# Altium PCB mach PCB.PcbDoc (part 6 of 6)
Units mm, origin at the board's own origin, x right, y up, seen from the top; angles counter-clockwise.
Board outline 300.6 x 300.64 mm, 2 copper layers (Top Layer, Bottom Layer); 688 components, 737 nets, 3205 pads, 25 vias.
Unrouted connection lines stored in the file: 1.
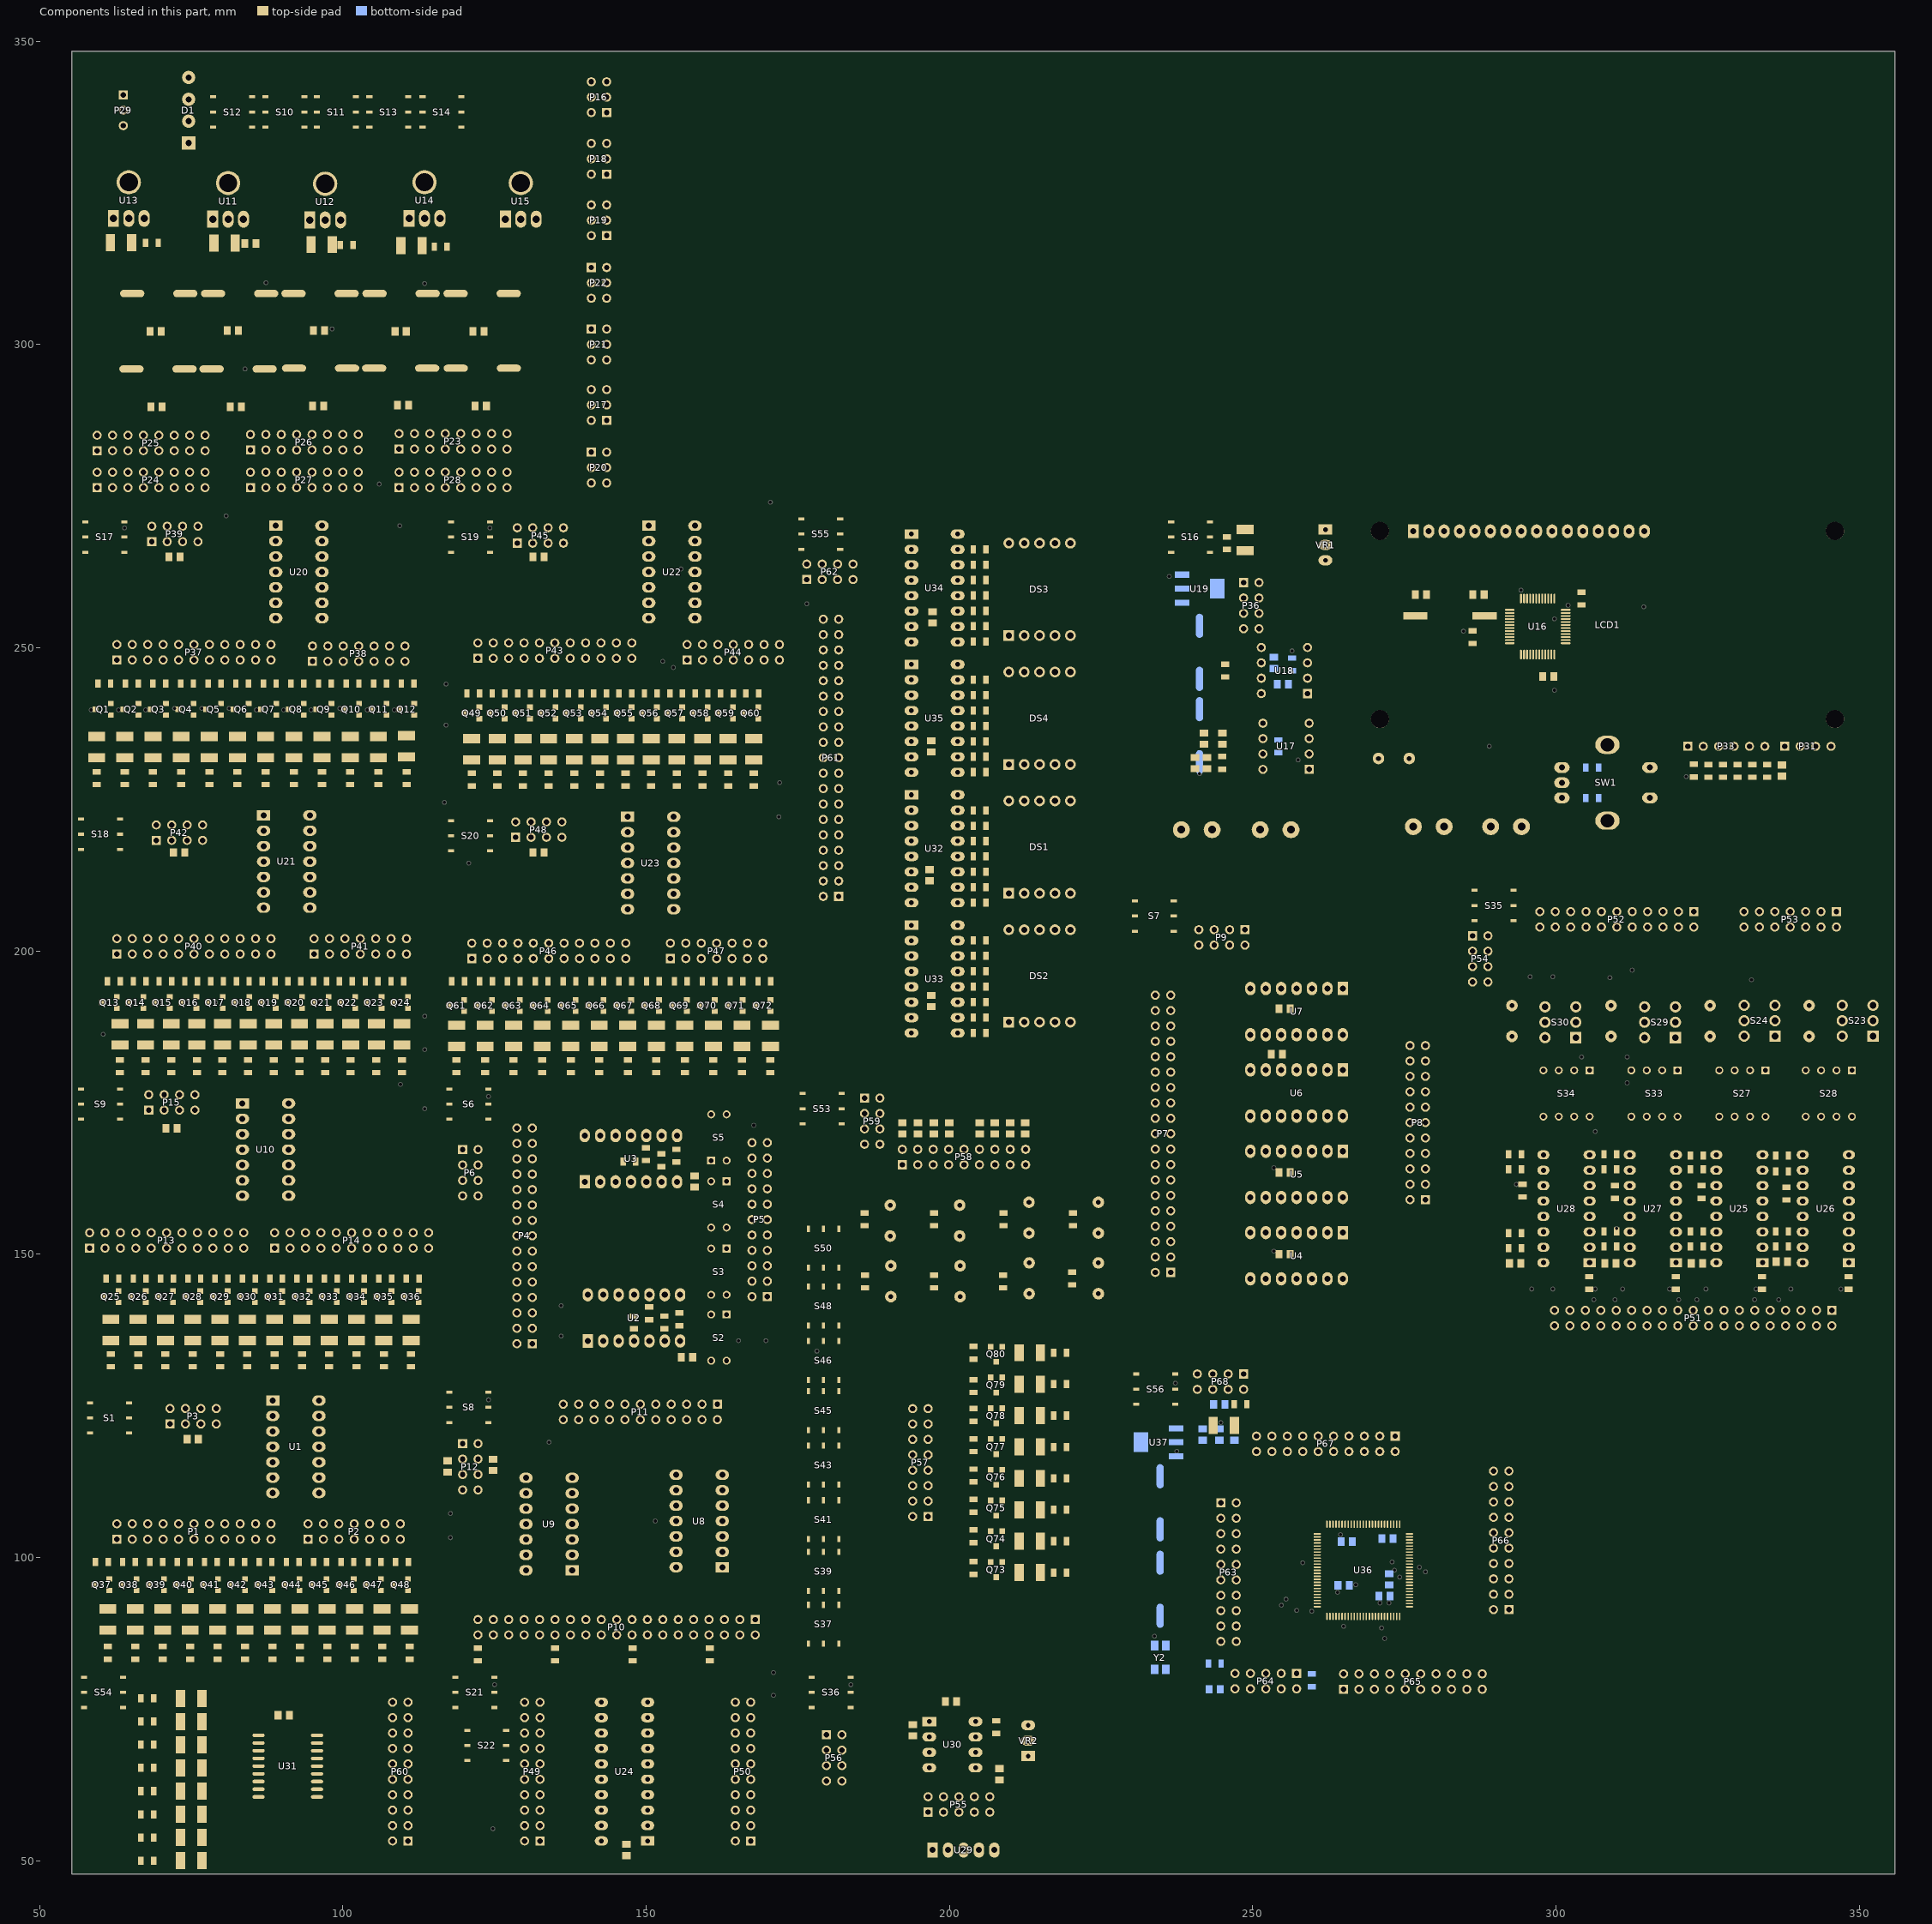
[diagram p6: the components of this part, seen from the top]

## Via types
v1: diameter 1.27, hole 0.711, Top Layer to Bottom Layer, 25 vias

## Nets (pads, with @x,y where several pads share a name; then routed paths per layer and width w, separated by ;. In a path a pad name is that pad's centre, name@x,y a point inside that pad or via, vN(x,y) a via of type N, cw(c..) or ccw(c..) an arc to the next point about the centre after c; other vN are vias at no path point) (continued)
pads on no net: DS1.5 DS2.5 DS3.5 DS4.5 LCD1.7 LCD1.8 LCD1.9 LCD1.10 LCD1.HM1 LCD1.HM2 LCD1.HM3 LCD1.HM4 P1.5 P1.6 P1.11 P1.12 P1.17 P1.18 P2.3 P2.4 P2.7 P2.8 P2.11 P2.12 P4.7 P4.8 P4.15 P4.16 P4.23 P4.24 P5.5 P5.6 P5.11 P5.12 P5.17 P5.18 P7.9 P7.10 P7.19 P7.20 P7.29 P7.30 P8.5 P8.6 P8.11 P8.12 P8.17 P8.18 P10.9 P10.10 P10.19 P10.20 P10.29 P10.30 P11.5 P11.6 P11.11 P11.12 P11.17 P11.18 P13.3 P13.4 P13.7 P13.8 P13.11 P13.12 P13.15 P13.16 P13.19 P13.20 P14.3 P14.4 P14.7 P14.8 P14.11 P14.12 P14.15 P14.16 P14.19 P14.20 P37.5 P37.6 P37.11 P37.12 P37.17 P37.18 P38.3 P38.4 P38.7 P38.8 P38.11 P38.12 P40.5 P40.6 P40.11 P40.12 P40.17 P40.18 P41.3 P41.4 P41.7 P41.8 P41.11 P41.12 P43.5 P43.6 P43.11 P43.12 P43.17 P43.18 P44.3 P44.4 P44.7 P44.8 P44.11 P44.12 P46.5 P46.6 P46.11 P46.12 P46.17 P46.18 P47.3 P47.4 P47.7 P47.8 P47.11 P47.12 P51.9 P51.10 P51.19 P51.20 P51.29 P51.30 P52.5 P52.6 P52.11 P52.12 P52.17 P52.18 P53.3 P53.4 P53.7 P53.8 P53.11 P53.12 P55.3 P55.4 P55.7 P55.8 P58.9 P58.10 P61.9 P61.10 P61.19 P61.20 P61.29 P61.30 P64.6 P64.7 P64.8 S1.4 S1.5 S1.6 S6.4 S6.5 S6.6 S7.4 S7.5 S7.6 S8.4 S8.5 S8.6 S9.4 S9.5 S9.6 S10.4 S10.5 S10.6 S11.4 S11.5 S11.6 S12.4 S12.5 S12.6 S13.4 S13.5 S13.6 S14.4 S14.5 S14.6 S16.4 S16.5 S16.6 S17.4 S17.5 S17.6 S18.4 S18.5 S18.6 S19.4 S19.5 S19.6 S20.4 S20.5 S20.6 S21.4 S21.5 S21.6 S22.4 S22.5 S22.6 S35.4 S35.5 S35.6 S36.4 S36.5 S36.6 S37.4 S37.5 S37.6 S39.4 S39.5 S39.6 S41.4 S41.5 S41.6 S43.4 S43.5 S43.6 S45.4 S45.5 S45.6 S46.4 S46.5 S46.6 S48.4 S48.5 S48.6 S50.4 S50.5 S50.6 S53.4 S53.5 S53.6 S54.4 S54.5 S54.6 S55.4 S55.5 S55.6 S56.4 S56.5 S56.6 SW1.0 U4.4 U4.13 U5.4 U5.13 U6.4 U6.13 U7.4 U7.13 U16.1 U16.2 U16.3 U16.4 U16.10 U16.11 U16.13 U16.14 U16.15 U16.17 U16.18 U16.19 U16.21 U16.22 U16.28 U16.38 U17.1 U17.4 U18.1 U18.4 U19.4 U29.4 U37.4 Y2.1

## Keep-outs
Keep-Out Layer:
  lines w0.3: 55.45,61.245 55.45,348.25 355.75,348.25 ; 55.45,61.753 55.45,47.91 355.75,47.91 355.75,348.21 ; 173.75,47.91 174.25,47.91 ; 174.25,129.25 174.25,132.75 ; 174.25,272.75 175.25,272.75 ; 355.75,105 355.75,107 ; 355.75,188.5 355.75,189.75 ; 116,47.91 116,47.91

## Silkscreen, mask and mechanical layers (free items; w line width, h text height)
Top Overlay:
  lines w0.3: 55,178.75 116,178.75 ; 55.45,82 116,82 174.5,82 ; 55.45,129.25 116,129.25 ; 55.45,225.5 116,225.5 ; 55.45,272.75 137.25,272.75 137.25,348.25 ; 116,47.91 116,83.25 116,129.25 ; 116,272.75 116,225.5 ; 137,272.75 355.75,272.75 ; 174.25,47.91 174.25,179 ; 174.25,82 229.25,82 ; 174.25,129.25 116,129.25 ; 174.25,229.75 174.25,178.75 ; 174.25,272.75 174.25,225.5 116,225.5 ; 229.25,47.91 229.25,83.5 ; 229.25,75.5 295.25,75.5 295.25,133.5 ; 229.25,83.25 229.25,179 ; 229.25,133.5 283.5,133.5 ; 229.25,213.75 356,213.75 ; 229.25,272.75 229.25,178.75 174.25,178.75 ; 283.5,188.5 283.5,133.5 ; 355.75,133.5 283.5,133.5 ; 116,129.25 116,178.75 ; 116,178.75 116,225.5 ; 116,178.75 174.25,178.75

## Text inside footprints (layer, text, board x,y; h text height)
P1: Top Overlay "1" at 60.21,102.492 h1.27; Top Overlay "2" at 60.21,105.032 h1.27; Top Overlay "21" at 89.674,102.492 h1.27; Top Overlay "22" at 89.674,105.032 h1.27
P2: Top Overlay "13" at 111.522,102.492 h1.27; Top Overlay "14" at 111.522,105.032 h1.27; Top Overlay "1" at 91.202,102.492 h1.27; Top Overlay "2" at 91.202,105.032 h1.27
P3: Top Overlay "8" at 80.644,124.032 h1.27; Top Overlay "7" at 80.644,121.492 h1.27; Top Overlay "1" at 69.468,121.492 h1.27; Top Overlay "2" at 68.96,124.032 h1.27
P4: Top Overlay "30" at 129.218,172.334 h1.27 r90; Top Overlay "29" at 131.758,172.334 h1.27 r90; Top Overlay "2" at 129.218,132.71 h1.27 r90; Top Overlay "1" at 131.758,132.71 h1.27 r90
P5: Top Overlay "1" at 170.508,140.46 h1.27 r90; Top Overlay "2" at 167.968,140.46 h1.27 r90; Top Overlay "21" at 170.508,169.924 h1.27 r90; Top Overlay "22" at 167.968,169.924 h1.27 r90
P6: Top Overlay "8" at 121.782,158.106 h1.27 r270; Top Overlay "7" at 119.242,158.106 h1.27 r270; Top Overlay "1" at 119.242,169.282 h1.27 r270; Top Overlay "2" at 121.782,169.79 h1.27 r270
P7: Top Overlay "38" at 234.468,194.244 h1.27 r90; Top Overlay "37" at 237.008,194.244 h1.27 r90; Top Overlay "1" at 237.008,144.46 h1.27 r90; Top Overlay "2" at 234.468,144.46 h1.27 r90
P8: Top Overlay "1" at 279.008,156.46 h1.27 r90; Top Overlay "2" at 276.468,156.46 h1.27 r90; Top Overlay "21" at 279.008,185.924 h1.27 r90; Top Overlay "22" at 276.468,185.924 h1.27 r90
P9: Top Overlay "8" at 239.606,201.468 h1.27 r180; Top Overlay "7" at 239.606,204.008 h1.27 r180; Top Overlay "1" at 250.782,204.008 h1.27 r180; Top Overlay "2" at 251.29,201.468 h1.27 r180
P10: Top Overlay "38" at 120.756,87.718 h1.27 r180; Top Overlay "37" at 120.756,90.258 h1.27 r180; Top Overlay "1" at 170.54,90.258 h1.27 r180; Top Overlay "2" at 170.54,87.718 h1.27 r180
P11: Top Overlay "1" at 164.29,125.758 h1.27 r180; Top Overlay "2" at 164.29,123.218 h1.27 r180; Top Overlay "21" at 134.826,125.758 h1.27 r180; Top Overlay "22" at 134.826,123.218 h1.27 r180
P12: Top Overlay "8" at 121.782,109.606 h1.27 r270; Top Overlay "7" at 119.242,109.606 h1.27 r270; Top Overlay "1" at 119.242,120.782 h1.27 r270; Top Overlay "2" at 121.782,121.29 h1.27 r270
P13: Top Overlay "1" at 55.71,150.492 h1.27; Top Overlay "2" at 55.71,153.032 h1.27; Top Overlay "21" at 85.174,150.492 h1.27; Top Overlay "22" at 85.174,153.032 h1.27
P14: Top Overlay "1" at 86.21,150.492 h1.27; Top Overlay "2" at 86.21,153.032 h1.27; Top Overlay "21" at 115.674,150.492 h1.27; Top Overlay "22" at 115.674,153.032 h1.27
P15: Top Overlay "8" at 77.144,175.782 h1.27; Top Overlay "7" at 77.144,173.242 h1.27; Top Overlay "1" at 65.968,173.242 h1.27; Top Overlay "2" at 65.46,175.782 h1.27
P16: Top Overlay "1" at 144.008,336.218 h1.27 r90; Top Overlay "2" at 141.468,335.71 h1.27 r90; Top Overlay "5" at 144.008,344.854 h1.27 r90; Top Overlay "6" at 141.468,344.854 h1.27 r90
P17: Top Overlay "1" at 144.008,285.459 h1.27 r90; Top Overlay "2" at 141.468,284.951 h1.27 r90; Top Overlay "5" at 144.008,294.095 h1.27 r90; Top Overlay "6" at 141.468,294.095 h1.27 r90
P18: Top Overlay "1" at 144.008,326.066 h1.27 r90; Top Overlay "2" at 141.468,325.558 h1.27 r90; Top Overlay "5" at 144.008,334.702 h1.27 r90; Top Overlay "6" at 141.468,334.702 h1.27 r90
P19: Top Overlay "1" at 144.008,315.915 h1.27 r90; Top Overlay "2" at 141.468,315.407 h1.27 r90; Top Overlay "5" at 144.008,324.551 h1.27 r90; Top Overlay "6" at 141.468,324.551 h1.27 r90
P20: Top Overlay "1" at 140.452,284.282 h1.27 r270; Top Overlay "2" at 142.992,284.79 h1.27 r270; Top Overlay "5" at 140.452,275.646 h1.27 r270; Top Overlay "6" at 142.992,275.646 h1.27 r270
P21: Top Overlay "1" at 140.452,304.585 h1.27 r270; Top Overlay "2" at 142.992,305.093 h1.27 r270; Top Overlay "5" at 140.452,295.949 h1.27 r270; Top Overlay "6" at 142.992,295.949 h1.27 r270
P22: Top Overlay "1" at 140.452,314.737 h1.27 r270; Top Overlay "2" at 142.992,315.245 h1.27 r270; Top Overlay "5" at 140.452,306.101 h1.27 r270; Top Overlay "6" at 142.992,306.101 h1.27 r270
P23: Top Overlay "2" at 106.738,284.794 h1.27; Top Overlay "1" at 106.738,282.254 h1.27; Top Overlay "15" at 128.582,282.254 h1.27; Top Overlay "16" at 128.582,284.794 h1.27
P24: Top Overlay "16" at 78.798,278.444 h1.27; Top Overlay "15" at 78.798,275.904 h1.27; Top Overlay "1" at 56.954,275.904 h1.27; Top Overlay "2" at 56.954,278.444 h1.27
P25: Top Overlay "16" at 78.798,284.54 h1.27; Top Overlay "15" at 78.798,282 h1.27; Top Overlay "1" at 56.954,282 h1.27; Top Overlay "2" at 56.954,284.54 h1.27
P26: Top Overlay "16" at 104.071,284.667 h1.27; Top Overlay "15" at 104.071,282.127 h1.27; Top Overlay "1" at 82.227,282.127 h1.27; Top Overlay "2" at 82.227,284.667 h1.27
P27: Top Overlay "16" at 104.071,278.444 h1.27; Top Overlay "15" at 104.071,275.904 h1.27; Top Overlay "1" at 82.227,275.904 h1.27; Top Overlay "2" at 82.227,278.444 h1.27
P28: Top Overlay "16" at 128.582,278.444 h1.27; Top Overlay "15" at 128.582,275.904 h1.27; Top Overlay "1" at 106.738,275.904 h1.27; Top Overlay "2" at 106.738,278.444 h1.27
P36: Top Overlay "8" at 250.532,251.606 h1.27 r270; Top Overlay "7" at 247.992,251.606 h1.27 r270; Top Overlay "1" at 247.992,262.782 h1.27 r270; Top Overlay "2" at 250.532,263.29 h1.27 r270
P37: Top Overlay "1" at 60.21,247.492 h1.27; Top Overlay "2" at 60.21,250.032 h1.27; Top Overlay "21" at 89.674,247.492 h1.27; Top Overlay "22" at 89.674,250.032 h1.27
P38: Top Overlay "13" at 112.272,247.242 h1.27; Top Overlay "14" at 112.272,249.782 h1.27; Top Overlay "1" at 91.952,247.242 h1.27; Top Overlay "2" at 91.952,249.782 h1.27
P39: Top Overlay "8" at 77.644,269.532 h1.27; Top Overlay "7" at 77.644,266.992 h1.27; Top Overlay "1" at 66.468,266.992 h1.27; Top Overlay "2" at 65.96,269.532 h1.27
P40: Top Overlay "1" at 60.21,198.992 h1.27; Top Overlay "2" at 60.21,201.532 h1.27; Top Overlay "21" at 89.674,198.992 h1.27; Top Overlay "22" at 89.674,201.532 h1.27
P41: Top Overlay "13" at 112.522,198.992 h1.27; Top Overlay "14" at 112.522,201.532 h1.27; Top Overlay "1" at 92.202,198.992 h1.27; Top Overlay "2" at 92.202,201.532 h1.27
P42: Top Overlay "8" at 78.394,220.282 h1.27; Top Overlay "7" at 78.394,217.742 h1.27; Top Overlay "1" at 67.218,217.742 h1.27; Top Overlay "2" at 66.71,220.282 h1.27
P43: Top Overlay "1" at 119.71,247.742 h1.27; Top Overlay "2" at 119.71,250.282 h1.27; Top Overlay "21" at 149.174,247.742 h1.27; Top Overlay "22" at 149.174,250.282 h1.27
P44: Top Overlay "13" at 174.022,247.492 h1.27; Top Overlay "14" at 174.022,250.032 h1.27; Top Overlay "1" at 153.702,247.492 h1.27; Top Overlay "2" at 153.702,250.032 h1.27
P45: Top Overlay "8" at 137.894,269.282 h1.27; Top Overlay "7" at 137.894,266.742 h1.27; Top Overlay "1" at 126.718,266.742 h1.27; Top Overlay "2" at 126.21,269.282 h1.27
P46: Top Overlay "1" at 118.71,198.242 h1.27; Top Overlay "2" at 118.71,200.782 h1.27; Top Overlay "21" at 148.174,198.242 h1.27; Top Overlay "22" at 148.174,200.782 h1.27
P47: Top Overlay "13" at 171.272,198.242 h1.27; Top Overlay "14" at 171.272,200.782 h1.27; Top Overlay "1" at 150.952,198.242 h1.27; Top Overlay "2" at 150.952,200.782 h1.27
P48: Top Overlay "8" at 137.644,220.782 h1.27; Top Overlay "7" at 137.644,218.242 h1.27; Top Overlay "1" at 126.468,218.242 h1.27; Top Overlay "2" at 125.96,220.782 h1.27
P49: Top Overlay "2" at 130.468,50.71 h1.27 r90; Top Overlay "1" at 133.008,50.71 h1.27 r90; Top Overlay "19" at 133.008,77.634 h1.27 r90; Top Overlay "20" at 130.468,77.634 h1.27 r90
P50: Top Overlay "2" at 165.218,50.71 h1.27 r90; Top Overlay "1" at 167.758,50.71 h1.27 r90; Top Overlay "19" at 167.758,77.634 h1.27 r90; Top Overlay "20" at 165.218,77.634 h1.27 r90
P51: Top Overlay "38" at 298.256,138.718 h1.27 r180; Top Overlay "37" at 298.256,141.258 h1.27 r180; Top Overlay "1" at 348.04,141.258 h1.27 r180; Top Overlay "2" at 348.04,138.718 h1.27 r180
P52: Top Overlay "1" at 325.29,207.008 h1.27 r180; Top Overlay "2" at 325.29,204.468 h1.27 r180; Top Overlay "21" at 295.826,207.008 h1.27 r180; Top Overlay "22" at 295.826,204.468 h1.27 r180
P53: Top Overlay "13" at 328.978,207.008 h1.27 r180; Top Overlay "14" at 328.978,204.468 h1.27 r180; Top Overlay "1" at 349.298,207.008 h1.27 r180; Top Overlay "2" at 349.298,204.468 h1.27 r180
P54: Top Overlay "8" at 288.282,193.356 h1.27 r270; Top Overlay "7" at 285.742,193.356 h1.27 r270; Top Overlay "1" at 285.742,204.532 h1.27 r270; Top Overlay "2" at 288.282,205.04 h1.27 r270
P55: Top Overlay "2" at 193.96,60.032 h1.27; Top Overlay "1" at 194.468,57.492 h1.27; Top Overlay "9" at 208.184,57.492 h1.27; Top Overlay "10" at 208.184,60.032 h1.27
P56: Top Overlay "8" at 181.782,61.606 h1.27 r270; Top Overlay "7" at 179.242,61.606 h1.27 r270; Top Overlay "1" at 179.242,72.782 h1.27 r270; Top Overlay "2" at 181.782,73.29 h1.27 r270
P57: Top Overlay "16" at 194.468,126.054 h1.27 r90; Top Overlay "15" at 197.008,126.054 h1.27 r90; Top Overlay "1" at 197.008,104.21 h1.27 r90; Top Overlay "2" at 194.468,104.21 h1.27 r90
P58: Top Overlay "2" at 189.202,166.782 h1.27; Top Overlay "1" at 189.71,164.242 h1.27; Top Overlay "17" at 214.602,164.242 h1.27; Top Overlay "18" at 214.602,166.782 h1.27
P59: Top Overlay "8" at 188.032,166.606 h1.27 r270; Top Overlay "7" at 185.492,166.606 h1.27 r270; Top Overlay "1" at 185.492,177.782 h1.27 r270; Top Overlay "2" at 188.032,178.29 h1.27 r270
P60: Top Overlay "2" at 108.718,50.71 h1.27 r90; Top Overlay "1" at 111.258,50.71 h1.27 r90; Top Overlay "19" at 111.258,77.634 h1.27 r90; Top Overlay "20" at 108.718,77.634 h1.27 r90
P61: Top Overlay "38" at 179.718,256.244 h1.27 r90; Top Overlay "37" at 182.258,256.244 h1.27 r90; Top Overlay "1" at 182.258,206.46 h1.27 r90; Top Overlay "2" at 179.718,206.46 h1.27 r90
P62: Top Overlay "8" at 185.644,263.282 h1.27; Top Overlay "7" at 185.644,260.742 h1.27; Top Overlay "1" at 174.468,260.742 h1.27; Top Overlay "2" at 173.96,263.282 h1.27
P63: Top Overlay "2" at 246.782,111.54 h1.27 r270; Top Overlay "1" at 244.242,111.54 h1.27 r270; Top Overlay "19" at 244.242,84.616 h1.27 r270; Top Overlay "20" at 246.782,84.616 h1.27 r270
P64: Top Overlay "2" at 259.79,78.848 h1.27 r180; Top Overlay "1" at 259.282,81.388 h1.27 r180; Top Overlay "9" at 245.566,81.388 h1.27 r180; Top Overlay "10" at 245.566,78.848 h1.27 r180
P65: Top Overlay "2" at 262.46,80.282 h1.27; Top Overlay "1" at 262.46,77.742 h1.27; Top Overlay "19" at 289.384,77.742 h1.27; Top Overlay "20" at 289.384,80.282 h1.27
P66: Top Overlay "2" at 290.218,88.84 h1.27 r90; Top Overlay "1" at 292.758,88.84 h1.27 r90; Top Overlay "19" at 292.758,115.764 h1.27 r90; Top Overlay "20" at 290.218,115.764 h1.27 r90
P67: Top Overlay "2" at 276.04,117.968 h1.27 r180; Top Overlay "1" at 276.04,120.508 h1.27 r180; Top Overlay "19" at 249.116,120.508 h1.27 r180; Top Overlay "20" at 249.116,117.968 h1.27 r180
P68: Top Overlay "8" at 239.356,128.218 h1.27 r180; Top Overlay "7" at 239.356,130.758 h1.27 r180; Top Overlay "1" at 250.532,130.758 h1.27 r180; Top Overlay "2" at 251.04,128.218 h1.27 r180
U25: Top Overlay "DIP-16" at 331.014,153.175 h1.5 r90
U26: Top Overlay "DIP-16" at 345.264,153.175 h1.5 r90
U27: Top Overlay "DIP-16" at 316.764,153.175 h1.5 r90
U28: Top Overlay "DIP-16" at 302.514,153.175 h1.5 r90